# Altium PCB MINI-STM32.PcbDoc
Units mm, origin at the board's own origin, x right, y up, seen from the top; angles counter-clockwise.
Board outline 60 x 70 mm, 4 copper layers (Top Layer, Internal Plane 1, Internal Plane 2, Bottom Layer), stack 0.462 mm thick; 55 components, 64 nets, 275 pads, 90 vias.
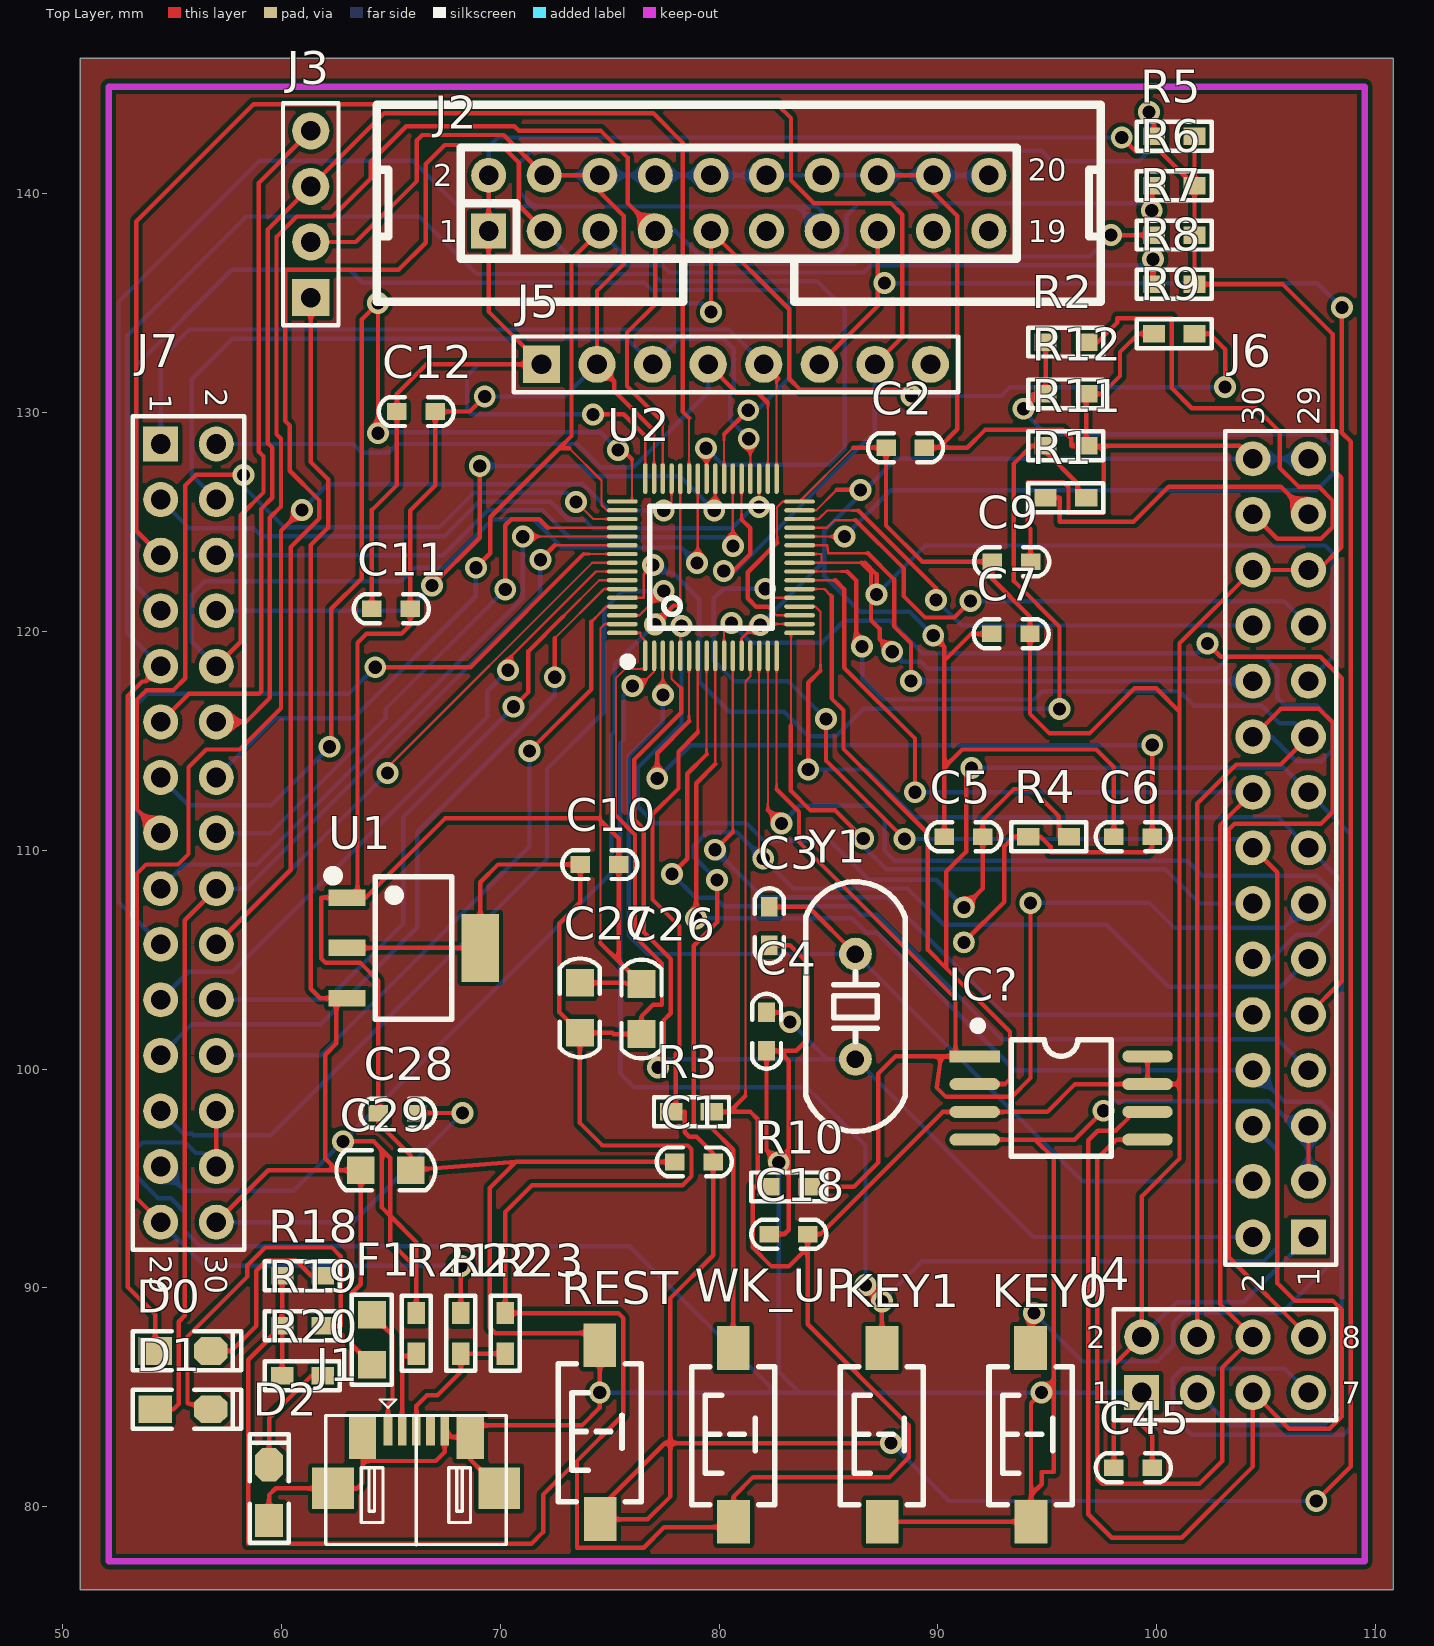
[diagram p0: Top Layer view]
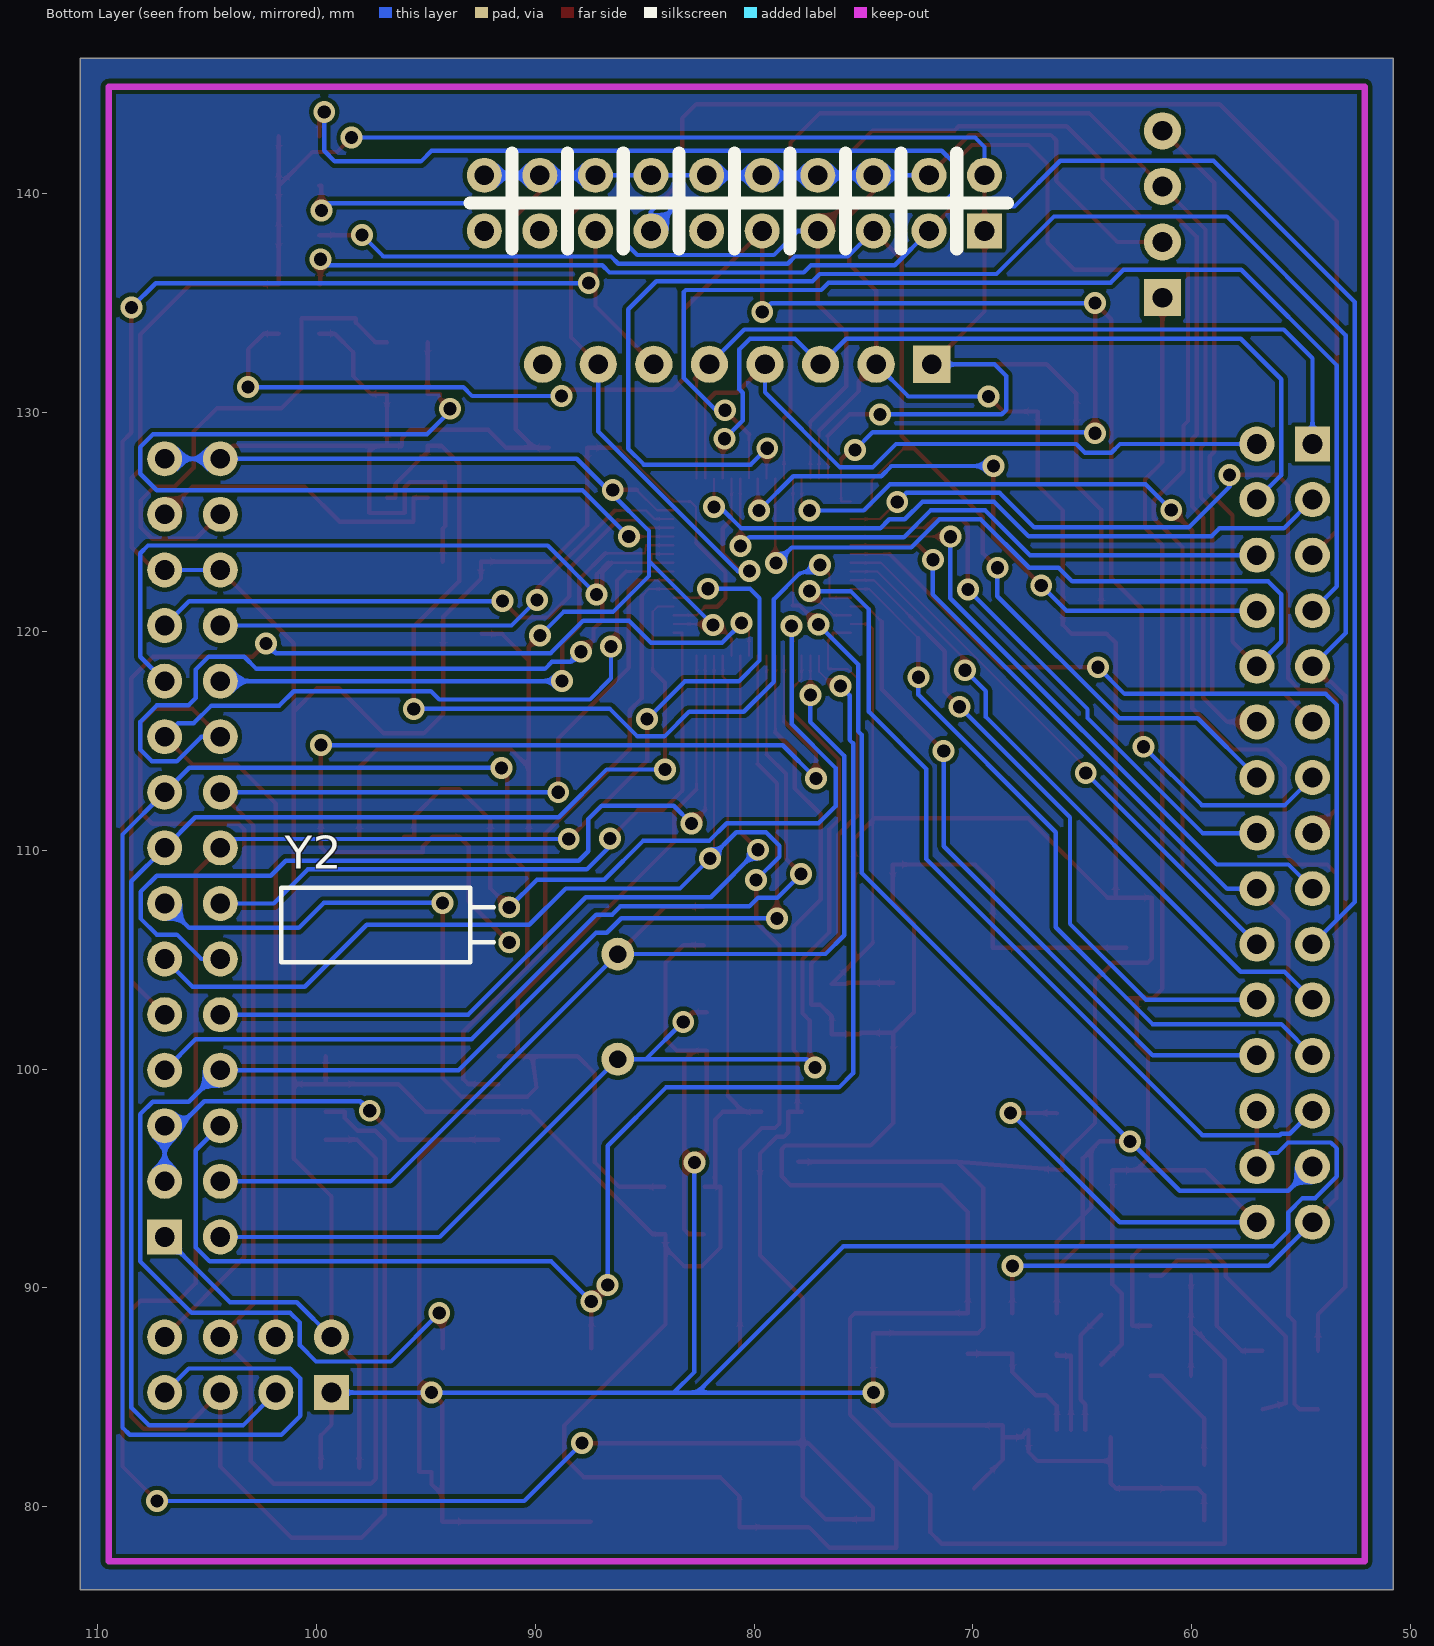
[diagram p1: Bottom Layer view, seen from below]
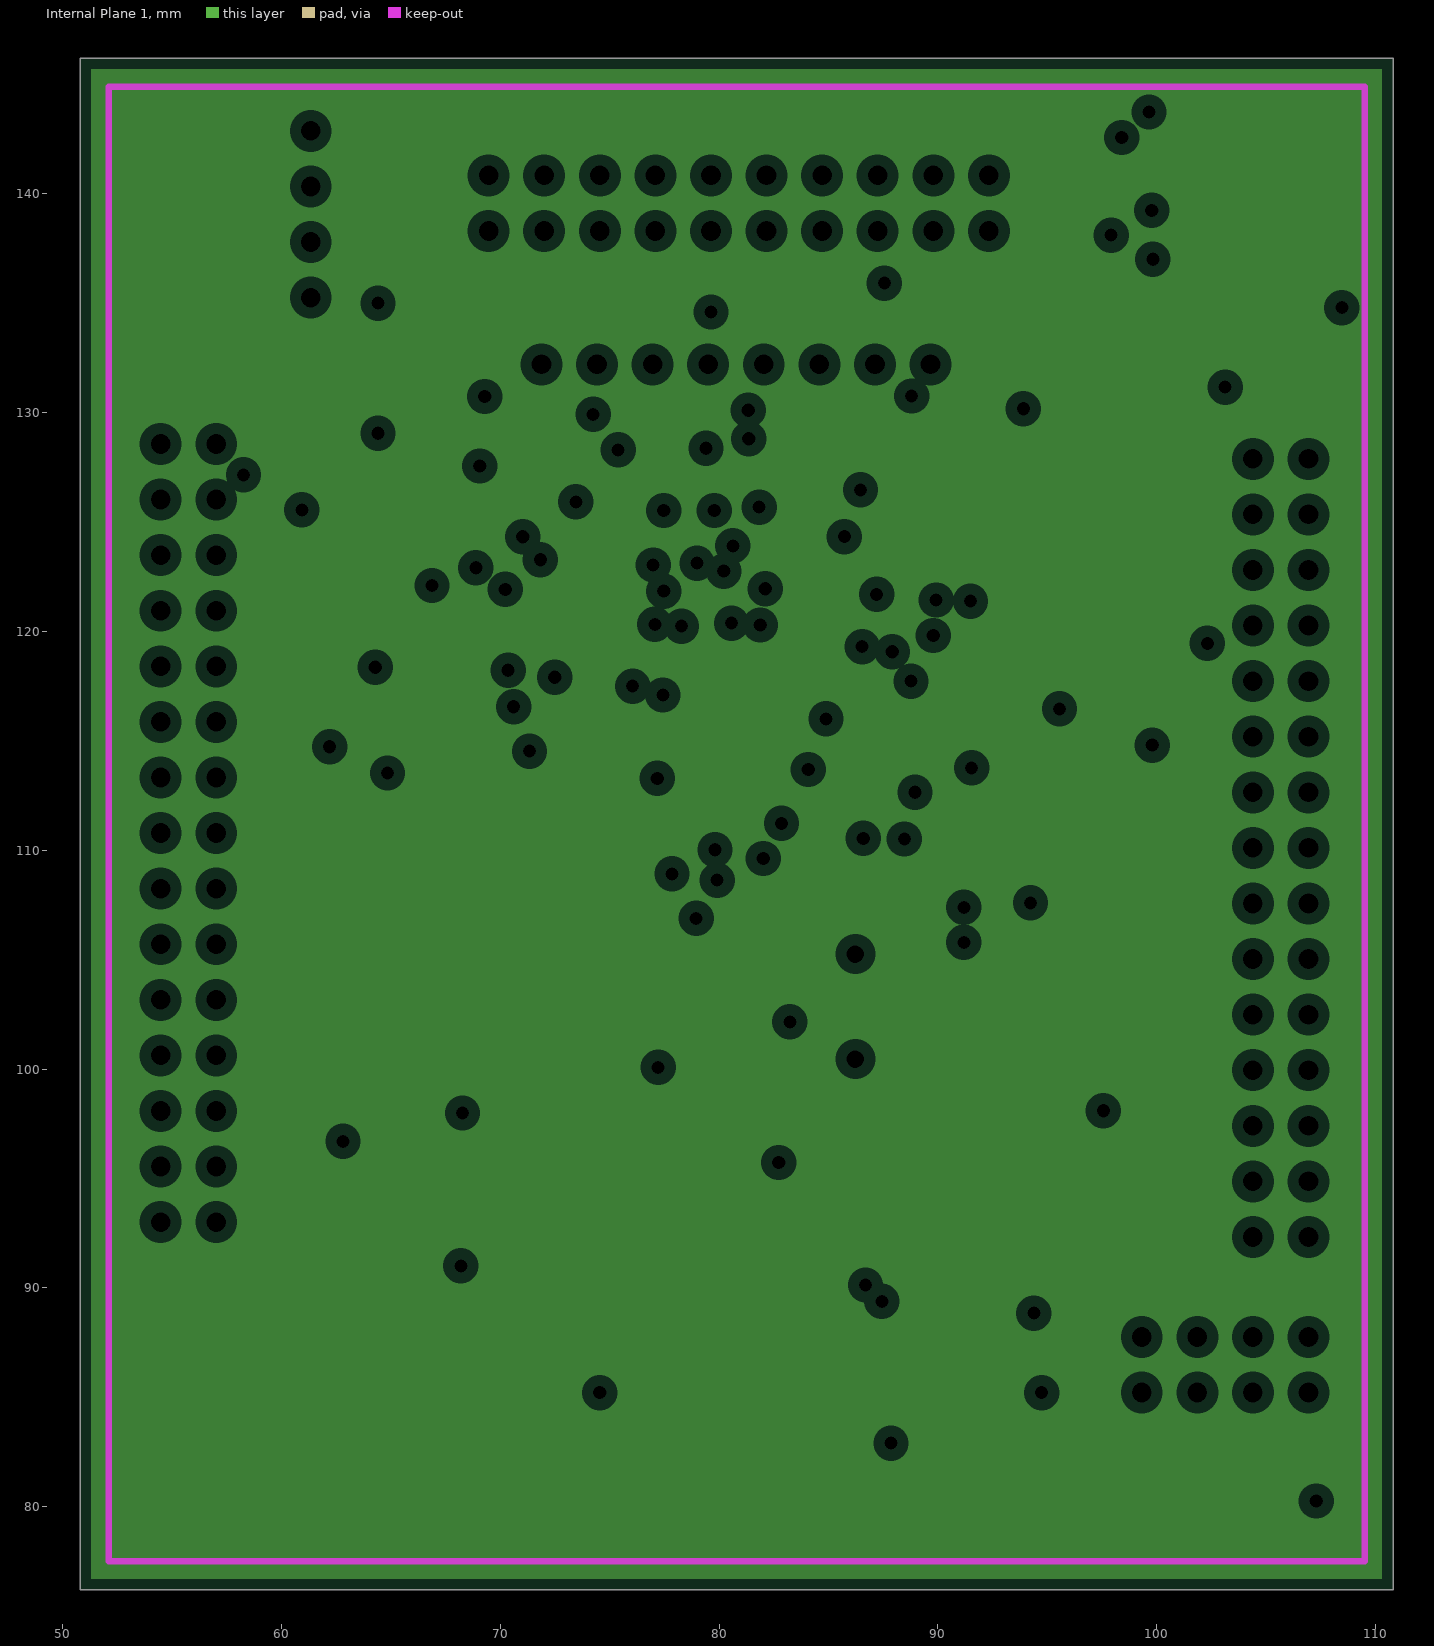
[diagram p2: Internal Plane 1, clearances drawn from the general rule]
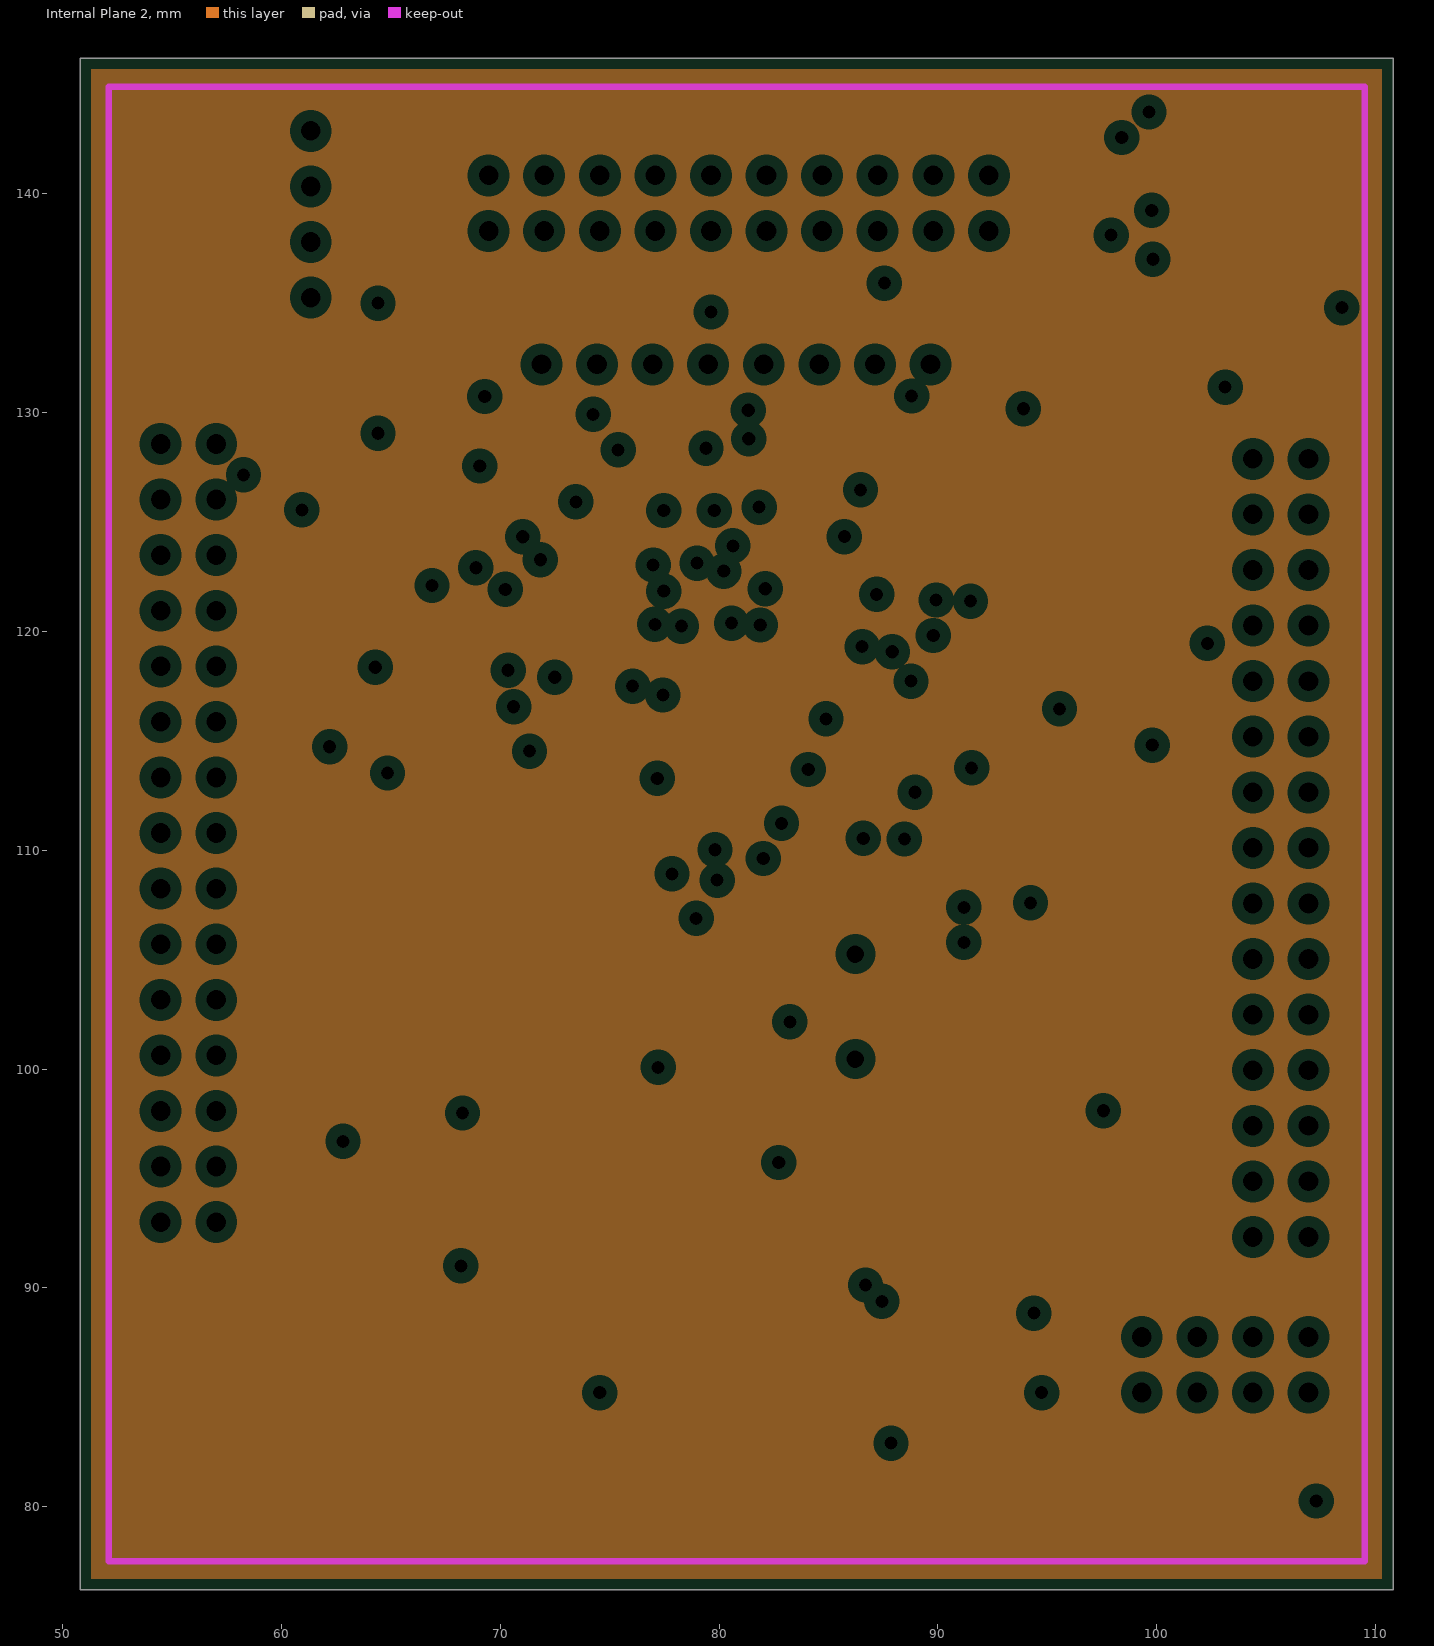
[diagram p3: Internal Plane 2, clearances drawn from the general rule]

## Layer stack, top to bottom
Top Solder: solder mask 0.0102, Solder Resist, Dk 3.5
Top Layer: signal copper 0.0356
Internal Plane 1: plane copper 0.0356
Internal Plane 2: plane copper 0.0356
Dielectric 1: dielectric 0.32, FR-4, Dk 4.8
Bottom Layer: signal copper 0.0356
Bottom Solder: solder mask 0.0102, Solder Resist, Dk 3.5

## Board outline
50.8,76.2 110.8,76.2 110.8,146.2 50.8,146.2

## Design rules (kind name [scope] priority, off if disabled: settings)
Clearance [All] p1: gap=0.2 ignorepadtopadclearanceinfootprint=FALSE
PlaneClearance [All] p1: clearance=0.508
PlaneConnect [All] p1: planeconnectstyle=Relief reliefexpansion=0.508 reliefentries=4 reliefconductorwidth=0.254 reliefairgap=0.254
PolygonConnect [All] p1: connectstyle=Relief reliefconductorwidth=0.254 reliefentries=4 polygonreliefangle="90 Angle" airgapwidth=0.254
RoutingVias [All] p1: holewidth=0.6 width=1 viastyle="Through Hole" minholewidth=0.711 minwidth=1.27 maxholewidth=0.711 maxwidth=1.27
SMDNeckDown [All] p1: percent=50.000
SolderMaskExpansion [All] p1: expansion=0.102
Width [All] p1: maxlimit=0.2 minlimit=0.2 preferedwidth=0.2
28 further rules are at their usual default settings.

## Components (designator, comment, footprint, x,y, rotation, side; value= is the part's Value field where it differs from the comment)
C1 "104" "C 0603" 78.867,95.758 r0 top
C2 "104" "C 0603" 88.519,128.397 r0 top
C3 "104" "C 0603" 82.296,106.553 r90 top
C4 "104" "C 0603" 82.169,101.727 r90 top
C5 "104" "C 0603" 91.186,110.617 r0 top
C6 "104" "C 0603" 98.933,110.617 r0 top
C7 "104" "C 0603" 93.345,119.888 r0 top
C9 "104" "C 0603" 93.37,123.19 r0 top
C10 "104" "C 0603" 74.549,109.347 r0 top
C11 "104" "C 0603" 65.024,121.031 r0 top
C12 "104" "C 0603" 66.167,130.048 r0 top
C18 "104" "C 0603" 83.185,92.456 r0 top
C26 "104" "C 0805" 76.454,102.743 r90 top
C27 "10UF/16V" "C 0805" 73.64,102.802 r90 top
C28 "104" "C 0603" 65.312,97.985 r0 top
C29 "10UF/16V" "C 0805" 64.77,95.377 r0 top
C45 "104" "C 0603" 98.933,81.788 r0 top
D0 "DS0" "LED 0805G" 55.499,87.122 r0 top
D1 "DS1" "LED 0805G" 55.499,84.455 r0 top
D2 "DS2" "LED 0805G" 59.436,80.645 r90 top
F1 "1K" "R 0805" 64.135,87.63 r90 top
IC? "W25Qxx" SOP8W_N 95.631,98.679 r0 top
J1 "USB-5P" USB-MICRO_A 66.167,81.153 r0 top
J2 "Header 2X10" IDC2.54-20P 69.469,138.303 r0 top
J3 "Header 4" HDR-1X4 61.341,135.255 r90 top
J4 "NRF2401" HDR-4X2 99.314,85.217 r0 top
J5 "OLED" HDR-1X8_M 71.882,132.207 r0 top
J6 "Header 15X2" HDR-15X2 106.934,92.329 r90 top
J7 "Header 15X2" HDR-15X2 54.483,128.566 r270 top
KEY0 "3x6x5" "TSW SMD-3*6*2.5" 94.234,83.312 r90 top
KEY1 "3x6x5" "TSW SMD-3*6*2.5" 87.439,83.312 r90 top
R1 "1K" "R 0603" 95.847,126.111 r0 top
R2 "1K" "R 0603" 95.847,133.223 r0 top
R3 "1K" "R 0603" 78.74,98.044 r0 top
R4 "1K" "R 0603" 95.061,110.615 r0 top
R5 "1K" "R 0603" 100.8,142.621 r0 top
R6 "1K" "R 0603" 100.8,140.367 r0 top
R7 "1K" "R 0603" 100.8,138.112 r0 top
R8 "1K" "R 0603" 100.8,135.858 r0 top
R9 "1K" "R 0603" 100.8,133.604 r0 top
R10 "1K" "R 0603" 83.185,94.615 r0 top
R11 "1K" "R 0603" 95.847,128.482 r0 top
R12 "1K" "R 0603" 95.847,130.852 r0 top
R18 "1K" "R 0603" 60.96,90.551 r0 top
R19 "1K" "R 0603" 60.96,88.265 r0 top
R20 "1K" "R 0603" 60.96,85.979 r0 top
R21 "1K" "R 0603" 66.167,87.922 r90 top
R22 "1K" "R 0603" 68.199,87.922 r90 top
R23 "1K" "R 0603" 70.231,87.922 r90 top
REST "3x6x5" "TSW SMD-3*6*2.5" 74.549,83.439 r90 top
U1 "AMS1117-3.3" SOT223_L 66.04,105.537 r270 top
U2 "STM32F103RCT6" "LQFP64 7x7_L" 79.629,122.936 r0 top
WK_UP "3x6x5" "TSW SMD-3*6*2.5" 80.645,83.312 r90 top
Y1 "12MHz" "XTAL-49S DIP" 86.233,102.857 r90 top
Y2 "12MHz" XTAL-3X8H 91.186,106.591 r0 bottom

## Footprints (in the part's own frame and the unit in brackets; to place one, negate y for a bottom-side part, rotate by r counter-clockwise, add the part's x,y. Pads: shape width x height; smd on the part's side, far side on the other; paste and mask are expansions set on the pad)
"C 0603" [mil] "无极性贴片电容"
  rect 35x30 smd: 1(-35,0) 2(34,0)
  silkscreen extent -67,-26 67,26, body extent -31,-16 31,16, height 32
"C 0805" [mil] "无极性贴片电容"
  rect 50x50 smd: 1(-45,0) 2(45,0)
  silkscreen extent -89,-36 89,36, body extent -39,-24 39,24, height 20
HDR-1X4 [mm] "排针，4脚"
  rect 1.7x1.7 hole 0.9: 1(0,0)
  round 1.7 hole 0.9: 2(2.54,0) 3(5.08,0) 4(7.62,0)
  silkscreen extent -1.27,-1.27 8.89,1.27, body extent -1.27,-1.27 8.89,1.27, height 8.5
HDR-1X8_M [mm] "排母，8脚"
  rect 1.7x1.7 hole 0.9: 1(0,0)
  round 1.7 hole 0.9: 2(2.54,0) 3(5.08,0) 4(7.62,0) 5(10.16,0) 6(12.7,0) 7(15.24,0) 8(17.78,0)
  silkscreen extent -1.27,-1.27 19.05,1.27, body extent -1.27,-1.27 19.05,1.27, height 8.5
HDR-4X2 [mm] "双排排针，4x2脚"
  rect 1.6x1.6 hole 0.9: 1(0,0)
  round 1.6 hole 0.9: 2(0,2.54) 3(2.54,0) 4(2.54,2.54) 5(5.08,0) 6(5.08,2.54) 7(7.62,0) 8(7.62,2.54)
  silkscreen extent -1.27,-1.27 8.89,3.81, body extent -1.27,-1.27 8.89,3.81, height 8.5
HDR-15X2 [mm] "双排排针，15x2脚"
  rect 1.6x1.6 hole 0.9: 1(0,0)
  round 1.6 hole 0.9: 2(0,2.54) 3(2.54,0) 4(2.54,2.54) 5(5.08,0) 6(5.08,2.54) 7(7.62,0) 8(7.62,2.54) 9(10.16,0) 10(10.16,2.54) 11(12.7,0) 12(12.7,2.54) 13(15.24,0) 14(15.24,2.54) 15(17.78,0) 16(17.78,2.54) 17(20.32,0) 18(20.32,2.54) 19(22.86,0) 20(22.86,2.54) 21(25.4,0) 22(25.4,2.54) 23(27.94,0) 24(27.94,2.54) 25(30.48,0) 26(30.48,2.54) 27(33.02,0) 28(33.02,2.54) 29(35.56,0) 30(35.56,2.54)
  silkscreen extent -1.27,-1.27 36.83,3.81, body extent -1.27,-1.27 36.83,3.81, height 8.5
IDC2.54-20P [mm] "20P简易牛角座"
  rect 1.6x1.6 hole 0.9: 1(0,0)
  round 1.6 hole 0.9: 2(0,2.54) 3(2.54,0) 4(2.54,2.54) 5(5.08,0) 6(5.08,2.54) 7(7.62,0) 8(7.62,2.54) 9(10.16,0) 10(10.16,2.54) 11(12.7,0) 12(12.7,2.54) 13(15.24,0) 14(15.24,2.54) 15(17.78,0) 16(17.78,2.54) 17(20.32,0) 18(20.32,2.54) 19(22.86,0) 20(22.86,2.54)
  silkscreen extent -5.11,-3.23 27.97,5.77, body extent -5.08,-3.08 27.94,5.77, height 9.17
"LED 0805G" [mil] "绿色0805LED"
  rect 60x50 smd: 1(-50,0)
  oct 60x50 smd: 2(50,0)
  silkscreen extent -90,-35 105,35, body extent -39,-25 39,25, height 32
"LQFP64 7x7_L" [mm] "64脚，体宽：7x7mm, 脚距：0.4mm"
  oval 0.2x1.4 smd: 1(-3,-4.048) 2(-2.6,-4.048) 3(-2.2,-4.048) 4(-1.8,-4.048) 5(-1.4,-4.048) 6(-1,-4.048) 7(-0.6,-4.048) 8(-0.2,-4.048) 9(0.2,-4.048) 10(0.6,-4.048) 11(1,-4.048) 12(1.4,-4.048) 13(1.8,-4.048) 14(2.2,-4.048) 15(2.6,-4.048) 16(3,-4.048) 33(3,4.048) 34(2.6,4.048) 35(2.2,4.048) 36(1.8,4.048) 37(1.4,4.048) 38(1,4.048) 39(0.6,4.048) 40(0.2,4.048) 41(-0.2,4.048) 42(-0.6,4.048) 43(-1,4.048) 44(-1.4,4.048) 45(-1.8,4.048) 46(-2.2,4.048) 47(-2.6,4.048) 48(-3,4.048)
  oval 1.4x0.2 smd: 17(4.048,-3) 18(4.048,-2.6) 19(4.048,-2.2) 20(4.048,-1.8) 21(4.048,-1.4) 22(4.048,-1) 23(4.048,-0.6) 24(4.048,-0.2) 25(4.048,0.2) 26(4.048,0.6) 27(4.048,1) 28(4.048,1.4) 29(4.048,1.8) 30(4.048,2.2) 31(4.048,2.6) 32(4.048,3) 49(-4.048,3) 50(-4.048,2.6) 51(-4.048,2.2) 52(-4.048,1.8) 53(-4.048,1.4) 54(-4.048,1) 55(-4.048,0.6) 56(-4.048,0.2) 57(-4.048,-0.2) 58(-4.048,-0.6) 59(-4.048,-1) 60(-4.048,-1.4) 61(-4.048,-1.8) 62(-4.048,-2.2) 63(-4.048,-2.6) 64(-4.048,-3)
  silkscreen extent -3.94,-4.44 2.79,2.79, body extent -4.5,-4.5 4.5,4.5, height 1.45
"R 0603" [mil] "1/10W贴片电阻"
  rect 40x31.5 smd: 1(-36.5,0) 2(36.5,0)
  silkscreen extent -68,-26 68,26, body extent -31,-16 32,16, height 16
"R 0805" [mil] "1/8W贴片电阻"
  rect 50x50 smd: 1(-45,0) 2(45,0)
  silkscreen extent -81,-36 81,36, body extent -39,-25 39,25, height 20
SOP8W_N [mm] "5.3*8.3*1.8mm（长宽高）"
  rect 2.3x0.55 smd: 1(-3.95,1.905)
  oval 2.3x0.55 smd: 2(-3.95,0.635) 3(-3.95,-0.635) 4(-3.95,-1.905) 5(3.95,-1.905) 6(3.95,-0.635) 7(3.95,0.635) 8(3.95,1.905)
  silkscreen extent -3.94,-2.67 2.29,3.43, body extent -3.94,-2.64 3.94,2.64, height 1.9
SOT223_L [mm] "6.4x7x1.6mm(长宽高)"
  rect 0.75x1.7 smd: 1(-2.3,-3.048) 2(0,-3.048) 3(2.3,-3.048)
  rect 3.1x1.7 smd: 2(0,3.048)
  silkscreen extent -3.5,-3.88 3.25,1.75, body extent -3.25,-3.51 3.25,3.51, height 1.65
"TSW SMD-3*6*2.5" [mm] "3*6*2.5mm"
  rect 2x1.5 smd: 1(-3.996,-0.02) 2(3.937,0)
  silkscreen extent -3.21,-1.9 3.09,1.9, body extent -4,-1.88 4,1.62, height 2.59
USB-MICRO_A [mm] "micro型USB ，5.9*8.2*2.5mm"
  rect 0.4x1.4 smd: 1(-1.296,2.355) 2(-0.648,2.355) 3(0,2.355) 4(0.648,2.355) 5(1.295,2.355)
  rect 1.9x1.9 smd: 5(-3.81,-0.312) 5(3.784,-0.312)
  rect 1.25x2 smd: 5(-2.464,2.025) 5(2.464,2.025)
  silkscreen extent -4.14,-2.89 4.11,3.75, body extent -3.98,-2.77 3.98,2.65, height 2.69
XTAL-3X8H [mm]
  round 1 hole 0.6: 1(0,-0.8) 2(0,0.8)
  silkscreen extent 0.7,-1.7 10.41,1.7, body extent -0.18,-1.5 10.18,1.5, height 2.9
"XTAL-49S DIP" [mm]
  round 1.5 hole 0.8: 1(-2.4,0) 2(2.4,0)
  silkscreen extent -5.7,-2.28 5.7,2.28, body extent -5.68,-2.35 5.68,2.3, height 3.5

## Part data
C1 C2 C3 C4 C5 C6 C7 C9 C10 C11 C12 C18 C26 C28 C45: library part C, "无极性贴片电容", BOM名称=无极性贴片电容, 学习资源=www.ooocke.com, 版权归属=源创客
C27 C29: library part C-CAP, "直插电解电容", BOM名称=直插电解电容, 学习资源=www.ooocke.com, 版权归属=源创客
D0 D1 D2: library part LED-SMD, "贴片LED", BOM名称=贴片LED, 学习资源=www.ooocke.com, 版权归属=源创客
F1 R1 R2 R3 R4 R5 R6 R7 R8 R9 R10 R11 R12 R18 R19 R20 R21 R22 R23: library part R, "贴片电阻", BOM名称=贴片电阻, 学习资源=www.ooocke.com, 版权归属=源创客
IC?: "外置Flash", BOM名称=外置Flash, 学习资源=www.ooocke.com, 版权归属=源创客
J1: "微型USB母座", BOM名称=微型USB母座, 学习资源=www.ooocke.com, 版权归属=源创客
J2: library part "Header 10X2", "10*2P接插件", BOM名称=10*2P接插件, 学习资源=www.ooocke.com, 版权归属=源创客
J3: "Header, 4-Pin", LatestRevisionDate=17-Jul-2002, LatestRevisionNote="Re-released for DXP Platform.", Publisher="Altium Limited"
J4: library part "Header 4X2", "4*2P接插件", BOM名称=4*2P接插件, 学习资源=www.ooocke.com, 版权归属=源创客
J5: library part "Header 8", "Header, 8-Pin"
J6 J7: "Header, 15-Pin, Dual row", LatestRevisionDate=17-Jul-2002, LatestRevisionNote="Re-released for DXP Platform.", Publisher="Altium Limited"
KEY0 KEY1 REST WK_UP: library part "TSW 3x6", "3x6轻触开关", BOM名称=3x6轻触开关, 学习资源=www.ooocke.com, 版权归属=源创客
U1: library part LT1085CM-3.3
U2: library part STM32F103RBT6
Y1 Y2: library part XTAL-2, "2脚晶振", BOM名称=2脚晶振, 学习资源=www.ooocke.com, 版权归属=源创客